# Altium PCB RTM_4SFP_3QSFP.PcbDoc (part 2 of 4)
Units mil, origin at the board's own origin, x right, y up, seen from the top; angles counter-clockwise.
Board outline 7187 x 5848.5 mil, 4 copper layers (L1, P2, P3, L4), stack 62.205 mil thick; 276 components, 257 nets, 1307 pads, 528 vias.
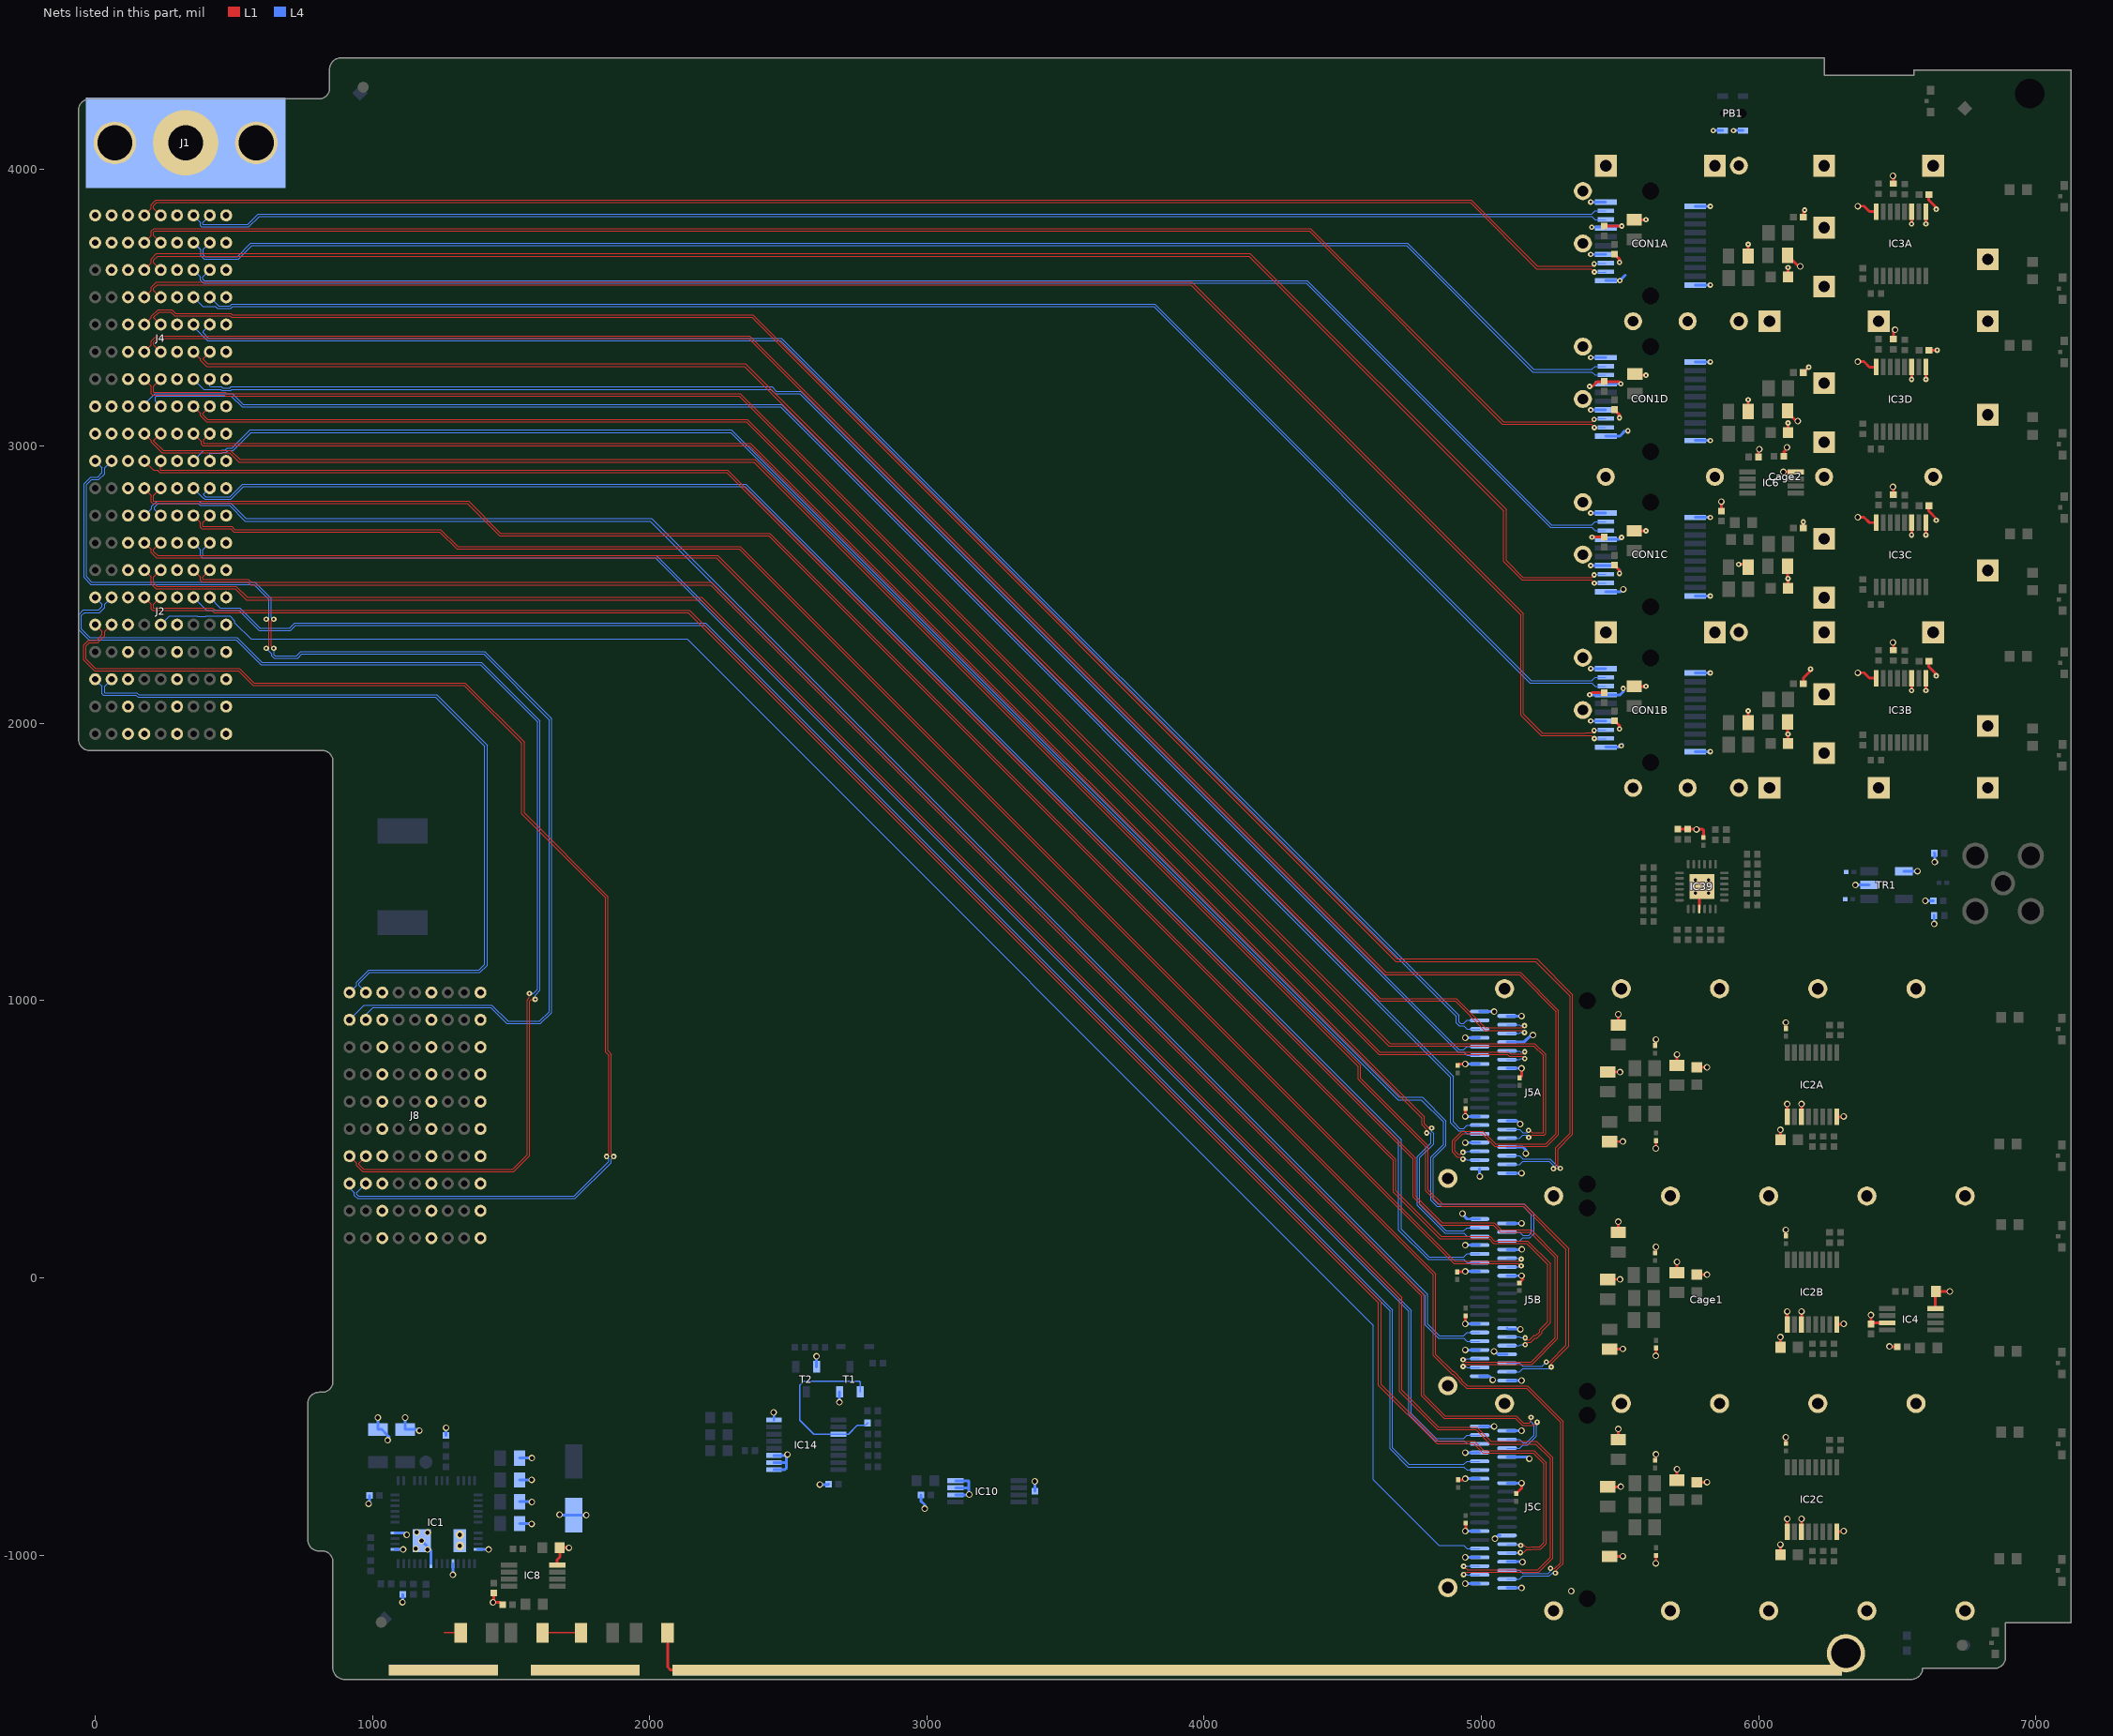
[diagram p4: the nets of this part, all layers, seen from the top]

## Part data
C1 C2 C3 C4 C12A C12B C12C C12D C14A C14B C14C C14D C23A C23B C23C C23D C33A C33B C33C C35A C35B C35C C41A C41B C41C C43A C43B C43C: library part CC0805_10UF_10V_10%_X7R, "Non-polarised capacitor", Case=0805, Manufacturer=GENERIC, Manufacturer1 ComponentHeight=1.35mm, Manufacturer1 Example=MURATA, Manufacturer1 Part Number=GRM21BR71A106KE51L, Tolerance=±10%, Voltage=10V, Author="CERN DEM JLC", Component Type=Standard, CreateDate=2012-04-30, HelpURL=\\cern.ch\dfs\Applications\Altium\Datasheets\CC0805_X7R_MURATA.pdf, LatestRevisionDate=2012-04-30, Manufacturer Part Number=CC0805_10UF_10V_10%_X7R, Mounted=Yes, Part Description="SMD Multilayer Chip Ceramic Capacitor", Part Number=CC0805_10UF_10V_10%_X7R, Pin Count=2, SMD=Yes, Socket=No, Status=Preferred, Table="Capacitors SMD", TC=X7R
C5: library part CAE660-540_100UF_16V_20%, "Polarised capacitor", Case=D, Manufacturer=PANASONIC, Manufacturer Part Number=EEEFK1C101AP, Tolerance=±20%, Voltage=16V, Author="CERN DEM JLC", ComponentHeight=5.8mm, Component Type=Standard, CreateDate=03.12.2007, HelpURL=\\cern.ch\dfs\Applications\Altium\Datasheets\CAE_PANASONIC_FK.pdf, LatestRevisionDate=05.11.2014, Mounted=Yes, Part Description="Aluminum Electrolytic SMT Capacitor", Part Number=CAE660-540_100UF_16V_20%, Pin Count=2, Sense=No, SMD=Yes, Socket=No, Status="Not Recommended"
C6 C7: library part CC1206_10UF_16V_10%_X7R, "Non-polarised capacitor", Case=1206, Manufacturer=GENERIC, Manufacturer1 ComponentHeight=1.8mm, Manufacturer1 Example=KEMET, Manufacturer1 Part Number=C1206C106K4RAC, Manufacturer Part Number=CC1206_10uF_16V_10%_X7R, Tolerance=±10%, Voltage=16V, Author="CERN DEM JLC", Component Type=Standard, CreateDate=2009-04-28, HelpURL=\\cern.ch\dfs\Applications\Altium\Datasheets\CC1206_X7R_KEMET.pdf, LatestRevisionDate=2009-04-28, Mounted=Yes, Part Description="SMD Multilayer Chip Ceramic Capacitor", Part Number=CC1206_10UF_16V_10%_X7R, Pin Count=2, SMD=Yes, Socket=No, Status=Preferred, Table="Capacitors SMD", TC=X7R
C8 C10 C13A C13B C13C C13D C20A C20B C20C C20D C22A C22B C22C C22D C24A C24B C24C C24D: library part CC0402_100NF_16V_10%_X5R, "Non-polarised capacitor", Case=0402, Manufacturer=GENERIC, Manufacturer1 ComponentHeight=0.55mm, Manufacturer1 Example=MURATA, Manufacturer1 Part Number=GRM155R61C104KA88D, Tolerance=±10%, Voltage=16V, Author="CERN DEM JLC", Component Type=Standard, HelpURL=\\cern.ch\dfs\Applications\Altium\Datasheets\CC0402_X5R_MURATA_GRM.pdf, Manufacturer Part Number=CC0402_100NF_16V_10%_X5R, Mounted=Yes, Part Description="SMD Multilayer Chip Ceramic Capacitor", Part Number=CC0402_100NF_16V_10%_X5R, Pin Count=2, SMD=Yes, Socket=No, Status=None, TC=X5R
  C8 C10: CreateDate=2013-12-10, LatestRevisionDate=2013-12-10, Table="Capacitors SMD"
  C13A C13B C13C C13D C20A C20B C20C C20D C22A C22B C22C C22D C24A C24B C24C C24D: CreateDate=10.12.2013, LatestRevisionDate=10.12.2013, Sense=No
C9: library part CC0402_1NF_50V_10%_X7R, "Non-polarised capacitor", Case=0402, Manufacturer=GENERIC, Manufacturer1 ComponentHeight=0.55mm, Manufacturer1 Example=PHYCOMP, Manufacturer1 Part Number=223858715623, Tolerance=±10%, Voltage=50V, Author="CERN DEM JLC", Component Type=Standard, CreateDate=03.12.2007, HelpURL=\\cern.ch\dfs\Applications\Altium\Datasheets\CC0402_X7R_PHYCOMP.pdf, LatestRevisionDate=03.12.2007, Manufacturer Part Number=CC0402_1NF_50V_10%_X7R, Mounted=Yes, Part Description="SMD Multilayer Chip Ceramic Capacitor", Part Number=CC0402_1NF_50V_10%_X7R, Pin Count=2, Sense=No, SMD=Yes, Socket=No, Status="Not Recommended", TC=X7R
C11: library part CC0402_12PF_50V_5%_C0G, "Non-polarised capacitor", Case=0402, Manufacturer=GENERIC, Manufacturer1 ComponentHeight=0.55mm, Manufacturer1 Example=KEMET, Manufacturer1 Part Number=C0402C120J5GACTU, Tolerance=±5%, Voltage=50V, Author="CERN DEM JLC", Component Type=Standard, CreateDate=04.10.2016, HelpURL="\\cern.ch\dfs\Applications\Altium\Datasheets\CC0805_C0G_KEMET_(Commercial Grade).pdf", LatestRevisionDate=04.10.2016, Manufacturer Part Number=CC0402_12PF_50V_5%_C0G, Mounted=Yes, Part Description="SMD Multilayer Chip Ceramic Capacitor", Part Number=CC0402_12PF_50V_5%_C0G, Pin Count=2, Sense=No, SMD=Yes, Socket=No, Status=Preferred, TC=C0G/NP0
C15A C15B C15C C15D C36A C36B C36C C37A C37B C37C: library part CC0603_1UF_25V_10%_X7R, "Non-polarised capacitor", Case=0603, Manufacturer=GENERIC, Manufacturer1 ComponentHeight=0.9mm, Manufacturer1 Example=MURATA, Manufacturer1 Part Number=GRM188R71E105KA12D, Tolerance=±10%, Voltage=25V, Author="CERN DEM JLC", Component Type=Standard, CreateDate=2011-01-18, HelpURL=\\cern.ch\dfs\Applications\Altium\Datasheets\CC0603_X7R_MURATA.pdf, LatestRevisionDate=2011-01-18, Manufacturer Part Number=CC0603_1UF_25V_10%_X7R, Mounted=Yes, Part Description="SMD Multilayer Chip Ceramic Capacitor", Part Number=CC0603_1UF_25V_10%_X7R, Pin Count=2, SMD=Yes, Socket=No, Status=None, Table="Capacitors SMD", TC=X7R
C16 C17 C28 C34A C34B C34C C38A C38B C38C C39A C39B C39C C40A C40B C40C C42A C42B C42C C44A C44B C44C C402: library part CC0201_100NF_6.3V_10%_X5R, "Non-polarised capacitor", Case=0201, Manufacturer=GENERIC, Manufacturer1 ComponentHeight=0.33mm, Manufacturer1 Example=AVX, Manufacturer1 Part Number=02016D104KAT2A, Tolerance=±10%, Voltage=6.3V, Author="CERN DEM JLC", Component Type=Standard, CreateDate=2007-12-03, HelpURL=\\cern.ch\dfs\Applications\Altium\Datasheets\CC0201_X5R_AVX.pdf, LatestRevisionDate=2007-12-03, Manufacturer Part Number=CC0201_100NF_6.3V_10%_X5R, Mounted=Yes, Part Description="SMD Multilayer Chip Ceramic Capacitor", Part Number=CC0201_100NF_6.3V_10%_X5R, Pin Count=2, SMD=Yes, Socket=No, Status="Not Recommended", TC=X5R
  C16 C17 C28: Sense=No
  C34A C34B C34C C38A C38B C38C C39A C39B C39C C40A C40B C40C C42A C42B C42C C44A C44B C44C C402: Table="Capacitors SMD"
C18 C19: library part CC0402_10NF_16V_10%_X7R, "Non-polarised capacitor", Case=0402, Manufacturer=GENERIC, Manufacturer1 ComponentHeight=0.55mm, Manufacturer1 Example=PHYCOMP, Manufacturer1 Part Number=223878715636, Tolerance=±10%, Voltage=16V, Author="CERN DEM JLC", Component Type=Standard, CreateDate=03.12.2007, HelpURL=\\cern.ch\dfs\Applications\Altium\Datasheets\CC0402_X7R_PHYCOMP.pdf, LatestRevisionDate=03.12.2007, Manufacturer Part Number=CC0402_10NF_16V_10%_X7R, Mounted=Yes, Part Description="SMD Multilayer Chip Ceramic Capacitor", Part Number=CC0402_10NF_16V_10%_X7R, Pin Count=2, Sense=No, SMD=Yes, Socket=No, Status="Not Recommended", TC=X7R
C21 C25 C26 C27 C29: library part CC0402_100NF_16V_10%_X7R, "Non-polarised capacitor", Case=0402, Manufacturer=GENERIC, Manufacturer1 ComponentHeight=0.55mm, Manufacturer1 Example=PHYCOMP, Manufacturer1 Part Number=223878715649, Tolerance=±10%, Voltage=16V, Author="CERN DEM JLC", Component Type=Standard, CreateDate=12/3/2007, HelpURL=\\cern.ch\dfs\Applications\Altium\Datasheets\CC0402_X7R_PHYCOMP.pdf, LatestRevisionDate=12/3/2007, Manufacturer Part Number=CC0402_100NF_16V_10%_X7R, Mounted=Yes, Part Description="SMD Multilayer Chip Ceramic Capacitor", Part Number=CC0402_100NF_16V_10%_X7R, Pin Count=2, SMD=Yes, Socket=No, Status="Not Recommended", Table="Capacitors SMD", TC=X7R
Cage1: library part TYCO_2170737-1, "QSFP+ 1x3 Cage (23Pins)", Manufacturer="TYCO ELECTRONICS", Manufacturer Part Number=2170737-1, Author="CERN DEM JLC", ComponentHeight=9.65mm, Component Type=Standard, CreateDate=29.05.2018, Family=zQSFP+, HelpURL=\\cern.ch\dfs\Applications\Altium\Datasheets\TYCO_2170737-1.pdf, LatestRevisionDate=29.05.2018, Mounted=Yes, Part Description="1x3 Press Fit zQSFP+/QSFP28 Cage (Quad Small Form-factor Pluggable), Internal/External EMI Springs", Part Number=TYCO_2170737-1, Pin Count=23, PressFit=Yes, Sense=No, SMD=No, Socket=No, Status=None
Cage2: library part TYCO_2007132-1, "SFP+  1x4 Cage (46 Pins)", Manufacturer="TYCO ELECTRONICS", Manufacturer Part Number=2007132-1, Author="CERN DEM JLC", ComponentHeight=9.7mm, Component Type=Standard, CreateDate=2013-06-04, Family=SFP+, HelpURL=\\cern.ch\dfs\Applications\Altium\Datasheets\TYCO_2007132-1.pdf, LatestRevisionDate=2013-06-12, Mounted=Yes, Part Description="1x4 Press Fit Cage For Use with SFP+ Connector (Small Form-factor Pluggable)", Part Number=TYCO_2007132-1, Pin Count=46, SMD=No, Socket=No, Status=None, Table=TYCO
CON1A CON1B CON1C CON1D: library part TYCO_1888247-1, "20 Position SFP+ Connector (Small Form-factor Pluggable)", Manufacturer="TYCO ELECTRONICS", Author="CERN DEM JLC", ComponentHeight=5.4mm, Component Type=Standard, CreateDate=2012-02-27, Family=SFP+, HelpURL=\\cern.ch\dfs\Applications\Altium\Datasheets\TYCO_1888247-1.pdf, LatestRevisionDate=2012-02-27, Manufacturer Part Number=1888247-1, Mounted=Yes, Part Description="20 Position, Pitch 0.8mm SFP+  Receptacle (Small Form-factor Pluggable)", Part Number=TYCO_1888247-1, Pin Count=20, SMD=Yes, Socket=No, Status=None, Table=TYCO
D1: "Schottky Diode", Case=SOD323, Manufacturer=INFINEON, Power=750mA, Voltage=40V, Author="CERN DEM JLC", Bonding=No, ComponentHeight=1.1mm, Component Type=Standard, CreateDate=12.11.2014, Device=BAT165, HelpURL=\\cern.ch\dfs\Applications\Altium\Datasheets\BAT165.pdf, LatestRevisionDate=12.11.2014, Manufacturer Part Number=BAT165, Mounted=Yes, PackageDescription="Small Outline Diode (SOD-323), 1.70mm W X 1.25mm L X 1.10mm H body,  IPC Medium Density", Part Description="Medium Power AF Schottky Diode", Part Number=BAT165, Pin Count=2, PressFit=No, Sense=No, SMD=Yes, Socket=No
F1: library part FUSR_TYCO_SMD150F-2, "Fuse", Manufacturer="TYCO ELECTRONICS", Manufacturer Part Number=SMD150F-2, Author="CERN DEM JLC", ComponentHeight=3mm, Component Type=Standard, CreateDate=2010-03-17, Family="Fuses Resettable", HelpURL=\\cern.ch\dfs\Applications\Altium\Datasheets\FUSR_TYCO_SMD150F-2.pdf, LatestRevisionDate=2010-03-17, Mounted=Yes, PackageDescription="PolySwitch, 2-Leads, Body 8.7x6.35mm Nominal", Part Description="PolySwitch® PTC Overcurrent Protection Device", Part Number=FUSR_TYCO_SMD150F-2, Pin Count=2, SMD=Yes, Socket=No, Table=Fuses
FB1A FB1B FB1C FB1D FB2A FB2B FB2C FB3A FB3B FB3C FB4A FB4B FB4C FB5A FB5B FB5C FB5D: library part IND0805_MURATA_BLM21PG221SN1D, "Inductor", Case=0805, Manufacturer=MURATA, Manufacturer Part Number=BLM21PG221SN1D, Power=2A, Resistance=0.05R, Tolerance=±25%, Author="CERN DEM JLC", ComponentHeight=1.05mm, Component Type=Standard, CreateDate=2010-01-25, HelpURL=\\cern.ch\dfs\Applications\Altium\Datasheets\IND0402_MURATA_BLM21P.pdf, LatestRevisionDate=2010-01-25, Mounted=Yes, Part Description="SMD EMIFIL Suppression Chip Ferrite Bead", Part Number=IND0805_MURATA_BLM21PG221SN1D, Pin Count=2, SMD=Yes, Socket=No, Status=None, Table="Inductors SMD"
FP1: "RTM Frontpanel"
FTG1 FTG3 FTG5 FTG7: library part FIDUCIAL_TARGET_S100-200, "Fiducial Target", Author="CERN DEM JLC", ComponentHeight=0mm, Component Type="Standard (No BOM)", CreateDate=2010-02-09, Family=Fiducial, LatestRevisionDate=2012-04-04, Mounted=No, PackageDescription="Square Fiducial Target, Top Layer, 1.0mm, Top Solder 2.0mm, Keepout =2.0mm", Part Description="Square Fiducial Target, Top Layer, 1.0mm, Top Solder 2.0mm, Keepout =2.0mm", Part Number=FIDUCIAL_TARGET_S100-200, Pin Count=1, SMD=Yes, Socket=No, Status=None, Table=Pads
FTG2 FTG4 FTG6 FTG8: library part FIDUCIAL_TARGET_C100-200, "Fiducial Target", Author="CERN DEM JLC", ComponentHeight=0mm, Component Type="Standard (No BOM)", CreateDate=2010-02-09, Family=Fiducial, LatestRevisionDate=2012-04-04, Mounted=No, PackageDescription="Round Fiducial Target, Top Layer, 1.0mm, Top Solder 2.0mm, Keepout =2.0mm", Part Description="Round Fiducial Target, Top Layer, 1.0mm, Top Solder 2.0mm, Keepout =2.0mm", Part Number=FIDUCIAL_TARGET_C100-200, Pin Count=1, SMD=Yes, Socket=No, Status=None, Table=Pads
IC1: "0.8V to 85% PVIN (4.75-19V), 6A Synchronous Step-Down Regulator Module", Manufacturer="MICROCHIP TECHNOLOGY", Author="CERN DEM JMW", Bonding=No, ComponentHeight=3mm, Component Type=Standard, CreateDate=15.08.2016, Device=MIC45116-1YMP, HelpURL=\\cern.ch\dfs\Applications\Altium\Datasheets\MIC45116-1YMP.pdf, LatestRevisionDate=15.08.2016, Manufacturer Part Number=MIC45116-1YMP, Mounted=Yes, PackageDescription="MICROCHIP_H3QFN88-52LD-PL-3, 0.50mm Pitch, Square, 52 Pin, 8mm L X 8mm W X 3mm H Body", Part Description="0.8V to 85% PVIN (4.75-19V), 6A Synchronous Step-Down Regulator Module", Part Number=MIC45116-1YMP, Pin Count=53, PressFit=No, Sense=No, SMD=Yes, Socket=No
IC2A IC2B IC2C IC3A IC3B IC3C IC3D: "8-Bit I2C-Bus and SMBus Low Power I/O Port with Interrupt", Case=SSOP16, Manufacturer="ANALOG DEVICES", Author="CERN DEM JLC", Bonding=No, ComponentHeight=1.1mm, Component Type=Standard, CreateDate=2013-12-18, Device=PCA9534PW, HelpURL=\\cern.ch\dfs\Applications\Altium\Datasheets\PCA9534PW.pdf, LatestRevisionDate=2013-12-18, Manufacturer Part Number=PCA9534PW, Mounted=Yes, PackageDescription="SOP, 0.65mm pitch; 16 pin, 4.40mm W X 5.00mm L X 1.10mm H body IPC Medium Density", Part Description="8-Bit I2C-Bus and SMBus Low Power I/O Port with Interrupt", Part Number=PCA9534PW, Pin Count=16, PressFit=No, SMD=Yes, Socket=No, Table="Analog & Interface"
IC4 IC6 IC8: "Digital Temperature Sensor and Thermal Watchdog with Two-Wire Interface", Case=SSOP8, Manufacturer="TEXAS INSTRUMENTS", Author="CERN DEM JLC", Bonding=No, ComponentHeight=1.09mm, Component Type=Standard, CreateDate=15.10.2012, Device=LM75AIMM/NOPB, HelpURL=\\cern.ch\dfs\Applications\Altium\Datasheets\LM75AIMM-NOPB.pdf, LatestRevisionDate=15.10.2012, Manufacturer Part Number=LM75AIMM/NOPB, Mounted=Yes, PackageDescription="SOP, 0.65mm pitch; 8 pin,3.00mm W X 3.00mm L X 1.09mm H bodyI, PC Medium Density", Part Description="-25° to +100°C ±2°C Digital Temperature Sensor and Thermal Watchdog with Two-Wire Interface", Part Number=LM75AIMM/NOPB, Pin Count=8, PressFit=No, Sense=No, SMD=Yes, Socket=No
IC10: "1.7V to 5.5V, I2C-Compatible (2-wire) 2-Kbit (256 x 8) Serial EEPROM", Case=TSSOP8, Manufacturer=ATMEL, Author="CERN DEM MR", Bonding=No, ComponentHeight=1.2mm, Component Type=Standard, CreateDate=09.03.2016, Device=AT24MAC402-XHM, HelpURL=\\cern.ch\dfs\Applications\Altium\Datasheets\AT24MAC402-XHM.pdf, LatestRevisionDate=09.11.2016, Manufacturer Part Number=AT24MAC402-XHM, Mounted=Yes, PackageDescription="SOP, 0.65mm pitch; 8 pin, 4.40mm W X 3.00mm L X 1.20mm H body, IPC Medium Density", Part Description="1.7V to 5.5V, I2C-Compatible (2-wire) 2-Kbit (256 x 8) Serial EEPROM with a EUI-48 Address", Part Number=AT24MAC402-XHM, Pin Count=8, PressFit=No, Sense=No, SMD=Yes, Socket=No
IC14: library part PCA9554D, "8-bit I2C-bus SMBus I/O port with interrupt", Manufacturer1="NXP Semiconductors", Manufacturer1 PN=PCA9554D,112, Distributor1=Digikey, Distributor1 PN=568-1053-5-ND
IC39: library part IIC_MUX_MAX7357ETG+, "8-channel I2C-bus multiplexer with reset, INT and timeout"
J1: library part TYCO_1469265-1, "Single Pin Male", Part Number=TYCO_1469265-1
J2 J4: library part TYCO_6469183-1, "Connector 60 ATCA Male 30 Pairs (60 Signals) + 3x10 Ground", Manufacturer="TYCO ELECTRONICS", Manufacturer Part Number=6469183-1, Author="CERN DEM JLC", ComponentHeight=13.31mm, Component Type=Standard, CreateDate=28.08.2013, Family="Advanced TCA", HelpURL=\\cern.ch\dfs\Applications\Altium\Datasheets\TYCO_6469183-1.pdf, LatestRevisionDate=28.08.2013, Mounted=Yes, Part Description="60 Positions, Pitch 2.5mm,  Advanced TCA, Z-PACK HM-Zd Right Angle Press Fit Header", Part Number=TYCO_6469183-1, Pin Count=90, PressFit=Yes, Sense=No, SMD=No, Socket=No, Status=None
J3: library part AMPHENOL_132203, Manufacturer=AMPHENOL, Manufacturer Part Number=132203, Author="CERN DEM MR", ClassName=Connectors, ComponentHeight=10.44mm, Component Type=Standard, CreateDate=2016-10-06, Family=SMA, HelpURL=\\cern.ch\dfs\Applications\Altium\Datasheets\AMPHENOL_132203.pdf, LatestRevisionDate=2016-10-06, Mounted=Yes, Part Description="50 Ohm Through Hole SMA Right Angle PCB Jack", Part Number=AMPHENOL_132203, Pin Count=5, PressFit=No, Sense=No, SMD=No, Socket=No, Status=None
J5A J5B J5C: library part TYCO_1551920-2, "38Position QSFP Connector  (Quad Small Form-factor Pluggable)", Manufacturer="TYCO ELECTRONICS", Manufacturer Part Number=1551920-2, Author="CERN DEM JLC", ComponentHeight=6.1mm, Component Type=Standard, CreateDate=24.05.2018, Family=zQSFP+, HelpURL=\\cern.ch\dfs\Applications\Altium\Datasheets\TYCO_1551920-2.pdf, LatestRevisionDate=24.05.2018, Mounted=Yes, Part Description="38 Positions, Pitch 0.8mm zSFP+ Receptacle (Small Form-factor Pluggable)", Part Number=TYCO_1551920-2, Pin Count=38, PressFit=No, Sense=No, SMD=No, Socket=No, Status=None
J8: library part ERNI_973028, "90 Contacts, 6 Rows  (a,b,c,d,e,f) of 10 positions + 3 Shield Rows (ab, cd, ef) of 10 Positions, Pitch 2.5 mm,  Press-Fit, Right Angle ERmet ZD High Speed Differential Hard Metric Female Connector", Manufacturer=ERNI, Manufacturer Part Number=973028, Author="CERN DEM JLC", ComponentHeight=16.9mm, Component Type=Standard, CreateDate=18.04.2012, Family="Hard Metric Type ZD", HelpURL=\\cern.ch\dfs\Applications\Altium\Datasheets\ERNI_973028.pdf, LatestRevisionDate=18.04.2012, Mounted=Yes, Part Description="90 Contacts (10x3 Pairs Signal Contacts + 3x10 Ground Contacts), Pitch 2.5mm, Press-Fit, Right Angle Ermet ZD High Speed Differential Hard Metric Female Connector", Part Number=ERNI_973028, Pin Count=90, PressFit=Yes, Sense=No, SMD=No, Socket=No, Status=None
LD1A LD1B LD1C LD3A LD3B LD3C LD3D: "LED Green 1C 2A", Color=Green, Manufacturer="AVAGO TECHNOLOGIES", Manufacturer Part Number=HSME-C120, Author="CERN DEM JMW", ComponentHeight=0.7mm, ComponentLink1Description="Design Guide", ComponentLink1URL=\\cern.ch\dfs\Applications\Altium\Datasheets\LED_AVAGO_HSME-C110_DESIGN-GUIDE.pdf, Component Type=Standard, CreateDate=2009-07-22, HelpURL=\\cern.ch\dfs\Applications\Altium\Datasheets\LED_AVAGO_HSME-C120.pdf, LatestRevisionDate=2012-06-20, Mounted=Yes, PackageDescription="Green Chip LED, 2-Leads, Body 1.7x1.1mm, Side Emitting Package", Part Description="High Performance Right Angle Chip Green LED", Part Number=LED_AVAGO_HSME-C120, Pin Count=2, SMD=Yes, Socket=No, Table="LEDs & Displays"
LD2A LD2B LD2C LD4A LD4B LD4C LD4D: "LED Red Avago C120", Manufacturer="AVAGO TECHNOLOGIES", Manufacturer Part Number=HSMC-C120, Part Number=LED_AVAGO_HSMC-C120, Author="CERN DEM JMW", Color=Red, ComponentHeight=0.7mm, ComponentLink1Description="Design Guide", ComponentLink1URL=\\cern.ch\dfs\Applications\Altium\Datasheets\LED_AVAGO_HSME-C110_DESIGN-GUIDE.pdf, Component Type=Standard, CreateDate=2009-07-22, HelpURL=\\cern.ch\dfs\Applications\Altium\Datasheets\LED_AVAGO_HSME-C120.pdf, LatestRevisionDate=2012-06-20, Mounted=Yes, PackageDescription="Red Chip LED, 2-Leads, Body 1.7x1.1mm, Side Emitting Package", Part Description="High Performance Right Angle Chip Red LED", Pin Count=2, SMD=Yes, Socket=No, Table="LEDs & Displays"
LDx: "LED Green Avago C120", Manufacturer="AVAGO TECHNOLOGIES", Manufacturer Part Number=HSME-C120, Part Number=LED_AVAGO_HSME-C120, Author="CERN DEM JMW", Color=Green, ComponentHeight=0.7mm, ComponentLink1Description="Design Guide", ComponentLink1URL=\\cern.ch\dfs\Applications\Altium\Datasheets\LED_AVAGO_HSME-C110_DESIGN-GUIDE.pdf, Component Type=Standard, CreateDate=2009-07-22, HelpURL=\\cern.ch\dfs\Applications\Altium\Datasheets\LED_AVAGO_HSME-C120.pdf, LatestRevisionDate=2012-06-20, Mounted=Yes, PackageDescription="Green Chip LED, 2-Leads, Body 1.7x1.1mm, Side Emitting Package", Part Description="High Performance Right Angle Chip Green LED", Pin Count=2, SMD=Yes, Socket=No, Table="LEDs & Displays"
LDy: "LED Blue Avago C120", Manufacturer="AVAGO TECHNOLOGIES", Manufacturer Part Number=HSMR-C120, Part Number=LED_AVAGO_HSMR-C120, Author="CERN DEM JMW", Color=Blue, ComponentHeight=0.7mm, ComponentLink1Description="Design Guide", ComponentLink1URL=\\cern.ch\dfs\Applications\Altium\Datasheets\LED_AVAGO_HSME-C110_DESIGN-GUIDE.pdf, Component Type=Standard, CreateDate=2009-07-22, HelpURL=\\cern.ch\dfs\Applications\Altium\Datasheets\LED_AVAGO_HSME-C120.pdf, LatestRevisionDate=2012-06-20, Mounted=Yes, PackageDescription="Blue Chip LED, 2-Leads, Body 1.7x1.1mm, Side Emitting Package", Part Description="High Performance Right Angle Chip Blue LED", Pin Count=2, SMD=Yes, Socket=No, Table="LEDs & Displays"
LED17: library part LED_0603R, "LED 0603 red", Supplier Part Number 1=22M3004, Supplier 1=Newark, Supplier 2=Newark, Supplier Part Number 2=20M0618
PB1: library part SW_C&K_HDT0001, "Push-Button Switch SPDT", Manufacturer=C&K, Manufacturer Part Number=HDT0001, Author="CERN DEM JLC", ComponentHeight=3.35mm, Component Type=Standard, CreateDate=2012-08-15, Family="Push Button", HelpURL=\\cern.ch\dfs\Applications\Altium\Datasheets\SW_C&K_HDT0001.pdf, LatestRevisionDate=2012-08-15, Mounted=Yes, PackageDescription="Body 3.5x2.8mm, Micro Mini Surface Mount Detect Switches, HDT Serie", Part Description="5VDC 1mA SPST-NO Micro Mini Surface Surface Mount Detect Push-Button Switch, HDT Serie", Part Number=SW_C&K_HDT0001, Pin Count=4, SMD=Yes, Socket=No, Status=None, Table=Switches
R1: library part R0402_7K5_1%_0.0625W_100PPM, "Resistor - 1%", Case=0402, Manufacturer=GENERIC, Manufacturer1 ComponentHeight=0.4mm, Manufacturer1 Example="YAGEO PHYCOMP", Manufacturer1 Part Number=232270677502L, Power=0.0625W, Tolerance=±1%, Author="CERN DEM JLC", Component Type=Standard, CreateDate=03.12.2007, HelpURL=\\cern.ch\dfs\Applications\Altium\Datasheets\R0402_Phycomp_RC0402.pdf, LatestRevisionDate=17.10.2012, Manufacturer Part Number=R0402_7K5_1%_0.0625W_100PPM, Mounted=Yes, Part Description="General Purpose Thick Film Chip Resistor", Part Number=R0402_7K5_1%_0.0625W_100PPM, Pin Count=2, PressFit=No, Sense=No, SMD=Yes, Socket=No, Status="Not Recommended", TC=±100ppm/°C
R2: library part R0402_100K_1%_0.0625W_100PPM, "Resistor - 1%", Case=0402, Manufacturer=GENERIC, Manufacturer1 ComponentHeight=0.4mm, Manufacturer1 Example="YAGEO PHYCOMP", Manufacturer1 Part Number=232270671004L, Power=0.0625W, Tolerance=±1%, Author="CERN DEM JLC", Component Type=Standard, CreateDate=03.12.2007, HelpURL=\\cern.ch\dfs\Applications\Altium\Datasheets\R0402_Phycomp_RC0402.pdf, LatestRevisionDate=17.10.2012, Manufacturer Part Number=R0402_100K_1%_0.0625W_100PPM, Mounted=Yes, Part Description="General Purpose Thick Film Chip Resistor", Part Number=R0402_100K_1%_0.0625W_100PPM, Pin Count=2, PressFit=No, Sense=No, SMD=Yes, Socket=No, Status="Not Recommended", TC=±100ppm/°C
R3: library part R0402_2K4_1%_0.0625W_100PPM, "Resistor - 1%", Case=0402, Manufacturer=GENERIC, Manufacturer1 ComponentHeight=0.4mm, Manufacturer1 Example="YAGEO PHYCOMP", Manufacturer1 Part Number=232270672402L, Power=0.0625W, Tolerance=±1%, Author="CERN DEM JLC", Component Type=Standard, CreateDate=03.12.2007, HelpURL=\\cern.ch\dfs\Applications\Altium\Datasheets\R0402_Phycomp_RC0402.pdf, LatestRevisionDate=17.10.2012, Manufacturer Part Number=R0402_2K4_1%_0.0625W_100PPM, Mounted=Yes, Part Description="General Purpose Thick Film Chip Resistor", Part Number=R0402_2K4_1%_0.0625W_100PPM, Pin Count=2, PressFit=No, Sense=No, SMD=Yes, Socket=No, Status="Not Recommended", TC=±100ppm/°C
R4 R5 R10A R10B R10C R11A R11B R11C R12A R12B R12C R13A R13B R13C R14 R15 R16 R17A R17B R17C R25 R26 R28 R31 R32 R33 R34 R35 R36 R37A R37B R37C R37D R38A R38B R38C R38D R39A R39B R39C R39D R40A R40B R40C R40D R41A R41B R41C R41D R45 R46 R48 R74 R75 R316 R317 R318 R319 R320 R321 R322 R323 R324 R325 R326 R327 R328 R329 R330 R331 R332 R333 R334 R335 R336: library part R0402_10K_1%_0.0625W_100PPM, "Resistor - 1%", Case=0402, Manufacturer=GENERIC, Manufacturer1 ComponentHeight=0.4mm, Manufacturer1 Example="YAGEO PHYCOMP", Manufacturer1 Part Number=232270671003L, Power=0.0625W, Tolerance=±1%, Author="CERN DEM JLC", Component Type=Standard, CreateDate=2007-12-03, HelpURL=\\cern.ch\dfs\Applications\Altium\Datasheets\R0402_Phycomp_RC0402.pdf, LatestRevisionDate=2012-10-17, Manufacturer Part Number=R0402_10K_1%_0.0625W_100PPM, Mounted=Yes, Part Description="General Purpose Thick Film Chip Resistor", Part Number=R0402_10K_1%_0.0625W_100PPM, Pin Count=2, SMD=Yes, Socket=No, Status="Not recommended", Table="Resistors SMD", TC=±100ppm/°C
R6: library part R0402_1K6_1%_0.0625W_100PPM, "Resistor - 1%", Case=0402, Manufacturer=GENERIC, Manufacturer1 ComponentHeight=0.4mm, Manufacturer1 Example="YAGEO PHYCOMP", Manufacturer1 Part Number=232270671602L, Power=0.0625W, Tolerance=±1%, Author="CERN DEM JLC", Component Type=Standard, CreateDate=03.12.2007, HelpURL=\\cern.ch\dfs\Applications\Altium\Datasheets\R0402_Phycomp_RC0402.pdf, LatestRevisionDate=17.10.2012, Manufacturer Part Number=R0402_1K6_1%_0.0625W_100PPM, Mounted=Yes, Part Description="General Purpose Thick Film Chip Resistor", Part Number=R0402_1K6_1%_0.0625W_100PPM, Pin Count=2, PressFit=No, Sense=No, SMD=Yes, Socket=No, Status="Not Recommended", TC=±100ppm/°C
R7 R8 R9 R18A R18B R18C R29A R29B R29C R42A R42B R42C R42D R43A R43B R43C R43D: library part R0603_330R_1%_0.1W_100PPM, "Resistor - 1%", Case=0603, Manufacturer=GENERIC, Manufacturer1 ComponentHeight=0.55mm, Manufacturer1 Example="NIC COMPONENT", Manufacturer1 Part Number=NRC06F3300TRF, Power=0.1W, Tolerance=±1%, Author="CERN DEM JLC", Component Type=Standard, CreateDate=2007-12-03, HelpURL=\\cern.ch\dfs\Applications\Altium\Datasheets\R0603_NIC_NRC.pdf, LatestRevisionDate=2008-03-13, Manufacturer Part Number=R0603_330R_1%_0.1W_100PPM, Mounted=Yes, Part Description="General Purpose Thick Film Chip Resistor", Part Number=R0603_330R_1%_0.1W_100PPM, Pin Count=2, SMD=Yes, Socket=No, Status=Preferred, Table="Resistors SMD", TC=±100ppm/°C
R19 R20 R21 R22: library part R1206_1M_1%_0.25W_100PPM, "Resistor - 1%", Case=1206, Manufacturer=GENERIC, Manufacturer1 ComponentHeight=0.65mm, Manufacturer1 Example="NIC COMPONENT", Manufacturer1 Part Number=NRC12F1004TRF, Power=0.25W, Tolerance=±1%, Author="CERN DEM JLC", Component Type=Standard, CreateDate=2007-12-03, HelpURL=\\cern.ch\dfs\Applications\Altium\Datasheets\R1206_NIC_NRC.pdf, LatestRevisionDate=2008-03-13, Manufacturer Part Number=R1206_1M_1%_0.25W_100PPM, Mounted=Yes, Part Description="General Purpose Thick Film Chip Resistor", Part Number=R1206_1M_1%_0.25W_100PPM, Pin Count=2, SMD=Yes, Socket=No, Status=Preferred, Table="Resistors SMD", TC=±100ppm/°C
R23 R24 R27 R30 R44 R47 R73: library part R0603_0R_JUMPER, "Resistor", Case=0603, Manufacturer=GENERIC, Manufacturer1 ComponentHeight=0.55mm, Manufacturer1 Example="NIC COMPONENT", Manufacturer1 Part Number=NRC06Z0, Author="CERN DEM JLC", Component Type=Standard, CreateDate=03.12.2007, HelpURL=\\cern.ch\dfs\Applications\Altium\Datasheets\R0603_NIC_NRC.pdf, LatestRevisionDate=13.03.2008, Manufacturer Part Number=R0603_0R_JUMPER, Mounted=Yes, Part Description="1A (0.05R Max DC Resistance) Zero Ohm Jumper", Part Number=R0603_0R_JUMPER, Pin Count=2, PressFit=No, Sense=No, SMD=Yes, Socket=No, Status=Preferred
T1 T2: "N-CHANNEL MOSFET WITH DIODE", Case=SOT23-3, Manufacturer="ON SEMICONDUCTOR", Author="CERN DEM JLC", Bonding=No, ComponentHeight=1.11mm, Component Type=Standard, CreateDate=23.03.2009, Device=BSS138LT1G, HelpURL=\\cern.ch\dfs\Applications\Altium\Datasheets\BSS138LT1G.pdf, LatestRevisionDate=23.03.2009, Manufacturer Part Number=BSS138LT1G, Mounted=Yes, PackageDescription="SOT23 3-Leads, Pitch 0.95mm - Body 1.4x3mm, IPC Medium Density", Part Description="50V 200mA N-Channel Enhancement Mode Field-Effect Transistor", Part Number=BSS138LT1G, Pin Count=3, PressFit=No, Sense=No, SMD=Yes, Socket=No
TP1 TP2: "Testpoint"
TR1: library part XFMR_MINI-CIRCUITS_TC2-1TX+, "50 Ohm 3 to 300MHz RF Transformers", Manufacturer=MINI-CIRCUITS, Manufacturer Part Number=TC2-1TX+, HelpURL=https://ww2.minicircuits.com/pdfs/TC2-1TX+.pdf

## Free pads (board coordinates)
  round 137.8 hole 106.3: 0(6314.96,-1354.33)
  round 60 hole 106.3 unplated: 1(6978.35,4271.65)
  rect 393.7x39.37 smd paste-100000 mask+10: ESD_STRIP_SEGMENT_1(1767.68,-1414.37) ESD_STRIP_SEGMENT_2(1255.87,-1414.37)
  rect 393.7x39.37 smd far side paste-100000 mask+10: ESD_STRIP_SEGMENT_1(1767.68,-1414.37) ESD_STRIP_SEGMENT_2(1255.86,-1413.86)
  rect 4218.11x39.37 smd paste-100000 mask+10: ESD_STRIP_SEGMENT_3(4191.73,-1414.37)
  rect 4218.11x39.37 smd far side paste-100000 mask+10: ESD_STRIP_SEGMENT_3(4192,-1415)

## Via types
v1: diameter 19.68, hole 7.87, L1 to L4, tented both sides, 275 vias
v2: diameter 23.62, hole 15.75, L1 to L4, tented both sides, 124 vias
v3: diameter 31.5, hole 23.62, L1 to L4, tented both sides, 108 vias
v4: diameter 31.5, hole 15.75, L1 to L4, 12 vias
v5: diameter 23.62, hole 15.75, L1 to L4, 5 vias
v6: diameter 25.98, hole 12.99, L1 to L4, tented both sides, 4 vias

## Nets (pads, with @x,y where several pads share a name; then routed paths per layer and width w, separated by ;. In a path a pad name is that pad's centre, name@x,y a point inside that pad or via, vN(x,y) a via of type N, cw(c..) or ccw(c..) an arc to the next point about the centre after c; other vN are vias at no path point)
ADC1_SYNC_N: J2.A6 J8.B7 | length 4247.8
  L1 w3.8: J8.B7@976.38,438.98 951.25,413.85 951.25,409 968.25,392 1505.56,392 1557.81,444.26 1557.81,1003.03 1566,1011.22 v1(1566,1026)
  L4 w3.8: J2.A6@0,2454.72 25.13,2429.6 25.13,2422 12.13,2409 -42.44,2409 -58.73,2392.72 -58.73,2337.32 -22.61,2301.2 507.8,2301.2 597.8,2211.2 1389.8,2211.2 1596.11,2004.89 1596.11,1041.33 1580.78,1026 v1(1566,1026)
ADC1_SYNC_P: J2.B6 J8.A7 | length 4277
  L1 w3.8: J8.A7@917.32,438.98 942.45,413.85 942.45,405.36 964.61,383.2 1509.2,383.2 1566.61,440.61 1566.61,999.39 1572.22,1005 v1(1587,1005)
  L4 w3.8: J2.B6@59.06,2454.72 33.93,2429.6 33.93,2418.36 15.77,2400.2 -38.8,2400.2 -49.93,2389.07 -49.93,2340.96 -18.97,2310 511.45,2310 601.45,2220 1393.45,2220 1604.91,2008.53 1604.91,1037.69 1587,1019.78 v1(1587,1005)
ADC2_SYNC_N: J2.A5 J8.B8 | length 4552.1
  L1 w3.8: J2.A5@0,2356.3 25.13,2331.17 25.13,2320 5.2,2300.07 -17.48,2300.07 -17.55,2300 -25.23,2300 -41.8,2283.43 -41.8,2228.36 -2.64,2189.2 516.8,2189.2 568.8,2137.2 1330.8,2137.2 1539,1929 1539,1673.56 1841.02,1371.54 1841.02,815.35 1853,803.37 1853,446.44 v1(1844.56,438)
  L4 w3.8: J8.B8@976.38,340.55 943,307.17 943,301.44 949.44,295 1728,295 1853,420 1853,429.56 v1(1844.56,438)
ADC2_SYNC_P: J2.B5 J8.A8 | length 4574.4
  L1 w3.8: J2.B5@59.06,2356.3 33.93,2331.17 33.93,2316.36 8.84,2291.27 -13.83,2291.27 -13.9,2291.2 -21.58,2291.2 -33,2279.78 -33,2232 1,2198 520.45,2198 572.45,2146 1334.45,2146 1547.8,1932.65 1547.8,1677.2 1849.82,1375.19 1849.82,819 1861.8,807.02 1861.8,446.44 v1(1870.24,438)
  L4 w3.8: J8.A8@917.32,340.55 917.32,323.88 934.2,307 934.2,297.8 945.8,286.2 1731.65,286.2 1861.8,416.36 1861.8,429.56 v1(1870.24,438)
CLK_SMA_IN_N: C28.2
CLK_SMA_IN_P: C16.2
CLKA_N: J2.B3 J8.B1 | length 2843.9
  L4 w3.8: J2.B3@59.06,2159.45 33.93,2134.32 33.93,2111.22 149.71,2111.22 157.58,2103.35 1231.36,2103.35 1414,1920.71 1414,1127.93 1388.43,1102.36 990.62,1102.36 951.25,1062.99 951.25,1054.65 J8.B1@976.38,1029.53
CLKA_P: J2.A3 J8.A1 | length 2843.9
  L4 w3.8: J2.A3@0,2159.45 25.13,2134.32 25.13,2107.57 30.28,2102.42 146.06,2102.42 153.93,2094.55 1227.72,2094.55 1405.2,1917.06 1405.2,1131.58 1384.78,1111.16 986.98,1111.16 942.45,1066.64 942.45,1054.65 J8.A1@917.32,1029.53
CLKB_N: J4.B1 J8.B2 | length 4294.7
  L1 w3.8: v1(644,2271) 643.68,2271 634.9,2279.78 634.9,2366.9 v1(644,2376)
  L4 w3.8: J4.B1@59.06,2946.85 33.93,2921.72 33.93,2900.94 12.84,2879.85 -13.02,2879.85 -31.43,2861.44 -31.43,2529.43 -12,2510 575.45,2510 634.8,2450.65 634.8,2383 641.8,2376 v1(644,2376) ; v1(644,2271) 646,2269 646,2247 649,2244 727,2244 742,2259 1404.44,2259 1646.8,2016.64 1646.8,957.36 1606.65,917.2 1484.91,917.2 1426.66,975.45 1001.97,975.45 976.38,949.86 J8.B2@976.38,931.1
CLKB_P: J4.A1 J8.A2 | length 4339.2
  L1 w3.8: v1(617,2271) 617.32,2271 626.1,2279.78 626.1,2366.9 v1(617,2376)
  L4 w3.8: J4.A1@0,2946.85 25.13,2921.72 25.13,2904.59 9.19,2888.65 -16.66,2888.65 -40.23,2865.09 -40.23,2525.78 -15.64,2501.2 571.8,2501.2 626,2447 626,2383 619,2376 v1(617,2376) ; v1(617,2271) 637.2,2250.8 637.2,2243.36 645.36,2235.2 730.65,2235.2 745.65,2250.2 1400.8,2250.2 1638,2013 1638,961 1603,926 1488.56,926 1430.3,984.25 970.47,984.25 J8.A2@917.32,931.1
EABLEn: IC14.11 R14.2 T1.1 | length 668.9
  L4 w6: T1.1@2759.3,-410.98 2759.3,-376.3 2756,-373 2555,-373 2541,-387 2541,-513 2591.54,-563.54 IC14.11@2680.56,-563.54 2716.98,-563.54 2748.51,-532 2777.33,-532 R14.2@2786.15,-523.18
ESD1: pad.ESD_STRIP_SEGMENT_2@1255.87,-1414.37 R19.1 | length 58
  L1 w6: 1259.84,-1279.53 R19.1@1317.84,-1279.53
ESD2: pad.ESD_STRIP_SEGMENT_1@1767.68,-1414.37 R20.2 R21.1 | length 138.6
  L1 w6: R20.2@1613.65,-1279.53 R21.1@1752.22,-1279.53
FPGA_ADC_SYSREF_N: J4.B3
FPGA_ADC_SYSREF_P: J4.A3
FPGA_CFG_CCLK: J4.A10
FPGA_CFG_DIN: J4.B10
FPGA_CFG_DONE: J4.A9
FPGA_CFG_INIT_B: J4.B8
FPGA_CFG_PROGRAM_B: J4.B9
FPGA_DAC_SYSREF_N: J4.B2
FPGA_DAC_SYSREF_P: J4.A2
GND: C1.1 C2.1 C3.1 C4.1 C5.2 C6.1 C7.1 C8.1 C11.1 C12A.2 C12B.2 C12C.2 C12D.2 C13A.2 C13B.2 C13C.2 C13D.2 C14A.2 C14B.2 C14C.2 C14D.2 C15A.1 C15B.1 C15C.1 C15D.1 C18.1 C19.1 C20A.2 C20B.2 C20C.2 C20D.2 C21.2 C22A.2 C22B.2 C22C.2 C22D.2 C23A.2 C23B.2 C23C.2 C23D.2 C24A.2 C24B.2 C24C.2 C24D.2 C25.2 C26.2 C27.2 C29.2 C33A.2 C33B.2 C33C.2 C34A.2 C34B.2 C34C.2 C35A.2 C35B.2 C35C.2 C36A.1 C36B.1 C36C.1 C37A.1 C37B.1 C37C.1 C38A.2 C38B.2 C38C.2 C39A.2 C39B.2 C39C.2 C40A.2 C40B.2 C40C.2 C41A.2 C41B.2 C41C.2 C42A.2 C42B.2 C42C.2 C43A.2 C43B.2 C43C.2 C44A.2 C44B.2 C44C.2 C402.1 Cage1.1 Cage1.2 Cage1.3 Cage1.4 Cage1.5 Cage1.6 Cage1.7 Cage1.8 Cage1.9 Cage1.10 Cage1.11 Cage1.12 Cage1.13 Cage1.14 Cage1.15 Cage1.16 Cage1.17 Cage1.18 Cage1.19 Cage1.20 Cage1.21 Cage1.22 Cage1.23 Cage2.1 Cage2.2 Cage2.3 Cage2.4 Cage2.5 Cage2.6 Cage2.7 Cage2.8 Cage2.9 Cage2.10 Cage2.11 Cage2.12 Cage2.13 Cage2.14 Cage2.15 Cage2.16 Cage2.17 Cage2.18 Cage2.19 Cage2.20 Cage2.21 Cage2.22 Cage2.23 Cage2.24 Cage2.25 Cage2.26 Cage2.27 Cage2.28 Cage2.29 Cage2.30 Cage2.31 Cage2.32 Cage2.33 Cage2.34 Cage2.35 Cage2.36 Cage2.37 Cage2.38 Cage2.39 Cage2.40 Cage2.41 Cage2.42 Cage2.43 Cage2.44 Cage2.45 Cage2.46 CON1A.1 CON1A.10 CON1A.11 CON1A.14 CON1A.17 CON1A.20 CON1B.1 CON1B.10 CON1B.11 CON1B.14 CON1B.17 CON1B.20 CON1C.1 CON1C.10 CON1C.11 CON1C.14 CON1C.17 CON1C.20 CON1D.1 CON1D.10 CON1D.11 CON1D.14 CON1D.17 CON1D.20 IC1.26 IC1.31 IC1.35 IC1.42 IC1.45 IC1.53 IC1.54 IC2A.1 IC2A.3 IC2A.8 IC2B.1 IC2B.3 IC2B.8 IC2C.1 IC2C.3 IC2C.8 IC3A.1 IC3A.3 IC3A.8 IC3B.1 IC3B.3 IC3B.8 IC3C.1 IC3C.3 IC3C.8 IC3D.1 IC3D.3 IC3D.8 IC4.4 IC4.7 IC6.4 IC8.4 IC10.2 IC10.3 IC10.4 IC14.1 IC14.2 IC14.3 IC14.8 IC39.9 IC39.25 J1.1 J2.BG1 J2.BG2 J2.BG3 J2.BG4 J2.BG5 J2.BG6 J2.BG7 J2.BG8 J2.BG9 J2.BG10 J2.C1 J2.DG1 J2.DG2 J2.DG3 J2.DG4 J2.DG5 J2.DG6 J2.DG7 J2.DG8 J2.DG9 J2.DG10 J2.FG1 J2.FG2 J2.FG3 J2.FG4 J2.FG5 J2.FG6 J2.FG7 J2.FG8 J2.FG9 J2.FG10 J4.BG1 J4.BG2 J4.BG3 J4.BG4 J4.BG5 J4.BG6 J4.BG7 J4.BG8 J4.BG9 J4.BG10 J4.DG1 J4.DG2 J4.DG3 J4.DG4 J4.DG5 J4.DG6 J4.DG7 J4.DG8 J4.DG9 J4.DG10 J4.FG1 J4.FG2 J4.FG3 J4.FG4 J4.FG5 J4.FG6 J4.FG7 J4.FG8 J4.FG9 J4.FG10 J5A.1 J5A.4 J5A.7 J5A.13 J5A.16 J5A.19 J5A.20 J5A.23 J5A.26 J5A.32 J5A.35 J5A.38 J5B.1 J5B.4 J5B.7 J5B.13 J5B.16 J5B.19 J5B.20 J5B.23 J5B.26 J5B.32 J5B.35 J5B.38 J5C.1 J5C.4 J5C.7 J5C.13 J5C.16 J5C.19 J5C.20 J5C.23 J5C.26 J5C.32 J5C.35 J5C.38 J8.AB1 J8.AB2 J8.AB3 J8.AB4 J8.AB5 J8.AB6 J8.AB7 J8.AB8 J8.AB9 J8.AB10 J8.CD1 J8.CD2 J8.CD3 J8.CD4 J8.CD5 J8.CD6 J8.CD7 J8.CD8 J8.CD9 J8.CD10 J8.EF1 J8.EF2 J8.EF3 J8.EF4 J8.EF5 J8.EF6 J8.EF7 J8.EF8 J8.EF9 J8.EF10 pad.0 pad.ESD_STRIP_SEGMENT_3 PB1.3 PB1.4 R2.1 R3.1 R22.2 R25.1 R26.1 R30.1 R33.1 R41A.1 R41B.1 R41C.1 R41D.1 R47.1 R48.1 R75.1 R326.1 R327.1 T1.2 T2.2 TR1.2 TR1.6 | length 12230.1
  L1 w10: C26.2@1437.29,-1136.68 1437.29,-1167.71 v2(1435,-1170) 1461.61,-1170 R33.1@1469.57,-1177.96 ; IC8.4@1666.32,-1035.39 1666.32,-1016.39 1675.79,-1006.93 R30.1@1675.79,-972.68 1708.06,-972.68 v2(1708.66,-973.28) ; R22.2@2066.93,-1277.56 R22.2@2064.96,-1279.53 2064.96,-1403.54 2075.79,-1414.37 pad.ESD_STRIP_SEGMENT_3@4191.73,-1414.37 ; C44B.2@4912.36,21.65 4939.69,21.65 v2(4941.66,23.62) ; C44A.2@4914,766.78 4918.87,771.65 v2(4941.66,771.65) ; C44C.2@4916,-728.22 4937.85,-728.22 v2(4941.66,-724.41) ; v2(4941.66,-913.39) 4943.71,-911.34 C42C.2@4943.71,-884.78 ; v2(4941.66,-165.35) 4943,-164.01 C42B.2@4943,-136.78 ; v2(4941.66,582.68) 4943,584.02 C42A.2@4943,611.22 ; C34C.2@5126.09,-778.22 5144.97,-759.34 v2(5144.97,-740.16) ; C34B.2@5136.97,-18.22 5150.41,-4.78 5144.97,0.66 v2(5144.97,7.87) ; C34A.2@5138.41,721.78 5144.97,728.34 v2(5144.97,755.91) ; v2(5159.95,449) v2@5167,449 ; v1(5390.28,3215.55) 5400.99,3215.55 5418.7,3233.27 C24D.2@5442.91,3233.27 5495.16,3233.27 v1(5503.04,3225.39) ; v1(5390.91,2103.58) 5398.56,2111.22 C24B.2@5442.91,2111.22 ; v1(5399,2672) 5399.24,2672.24 C24C.2@5442.91,2672.24 ; C24A.2@5442.91,3794.29 v1(5506.59,3794.29) ; C33C.2@5456,-753.63 5502.37,-753.63 v2(5503,-753) ; C33B.2@5456,-5.6 5490.3,-5.6 v2(5500.37,-5.6) ; C33A.2@5456,742.43 5490.3,742.43 v2(5500.37,742.43) ; C41C.2@5463,-1004.5 5509.57,-1004.5 v2(5510,-1004.06) ; C41B.2@5463,-256.46 5509.57,-256.46 v2(5510,-256.03) ; C41A.2@5463,491.57 5509.57,491.57 v2(5510,492) ; C13B.2@5480.32,2009.84 5480.32,2011.3 5498.43,1993.19 v1(5498.43,1980.17) ; C13C.2@5480.32,2570.86 5498.43,2552.75 v1(5498.43,2541.19) ; C13D.2@5480.32,3131.89 5498.43,3113.78 v1(5498.43,3102.21) ; C13A.2@5480.32,3692.91 5498.43,3674.8 v1(5498.43,3663.24) ; C43C.2@5494,-583.63 v2(5494,-545.06) ; C43B.2@5494,164.4 v2(5494,202.97) ; C43A.2@5494,912.43 v2(5494,951) ; C23B.2@5551.18,2133.86 v1(5593.58,2133.86) ; C23C.2@5551.18,2694.88 v1(5593.58,2694.88) ; C23D.2@5551.18,3255.9 v1(5593.58,3255.9) ; C23A.2@5551.18,3816.93 v1(5593.58,3816.93) ; C40C.2@5628,-658.06 5630,-656.06 v2(5630,-636.06) ; C40B.2@5628,89.97 5630,91.97 v2(5630,111.97) ; C40A.2@5628,838 5630,840 v2(5630,860) ; v2(5629,-1029.06) 5630,-1030.06 C38C.2@5630,-1000.84 ; v2(5629,-281.03) 5630,-282.03 C38B.2@5630,-252.81 ; v2(5629,467) 5630,466 C38A.2@5630,495.22 ; C35C.2@5705.66,-729.63 5705.66,-690.41 v2(5706,-690.06) ; C35B.2@5705.66,18.4 5705.66,57.63 v2(5706,57.97) ; C35A.2@5705.66,766.43 5705.66,805.66 v2(5706,806) ; R327.1@5708.66,1618.78 5775.98,1618.78 5797.17,1618.78 5801.18,1614.76 C402.1@5801.18,1588.58 ; C36C.1@5777.69,-736.57 5804.11,-736.57 v2(5814.18,-736.57) ; C36B.1@5777.69,11.46 5804.11,11.46 v2(5814.18,11.47) ; C36A.1@5777.69,759.5 5804.11,759.5 v2(5814.18,759.5) ; IC39.9@5785.83,1330.9 5785.83,1401.77 IC39.25@5795.67,1411.61 ; v2(5865.27,2800) 5866,2800.73 R26.1@5866,2765.72 ; v1(5928.25,2574.16) 5950.28,2574.16 5951.35,2575.23 5952.74,2576.63 5964,2565.37 C12C.2@5962.61,2563.98 ; C12B.2@5962.61,2002.95 v1(5962.61,2045.35) ; C12D.2@5962.61,3125 v1(5962.61,3167.4) ; C12A.2@5962.61,3686.02 v1(5962.61,3728.43) ; C21.2@5999.72,2961 5999.72,2986.4 v2(6002.71,2989.39) ; C37C.1@6078.5,-998.06 6078.5,-971.64 v2(6078.5,-961.57) ; C37B.1@6078.5,-250.03 6078.5,-223.6 v2(6078.5,-213.53) ; C37A.1@6078.5,498 6078.5,524.43 v2(6078.5,534.5) ; v2(6089.24,2907.39) IC6.4@6133.61,2907.39 ; R25.1@6091.72,2964 6091.72,2979.96 6102.36,2990.61 v2(6102.36,2995.98) ; v2(6098.41,-574.81) 6102.8,-574.81 6098.43,-579.18 C39C.2@6098.43,-596.46 ; v2(6098.41,173.23) 6102.8,173.23 6098.43,168.85 C39B.2@6098.43,151.57 ; v2(6098.41,921.26) 6102.8,921.26 6098.43,916.88 C39A.2@6098.43,899.61 ; IC2C.1@6103.35,-915.35 v2(6103.35,-869.02) ; IC2B.1@6103.35,-167.32 v2(6103.35,-120.98) ; IC2A.1@6103.35,580.71 v2(6103.35,627.05) ; C14B.2@6104.33,2005.9 6104.33,1963.66 v1(6106.3,1961.69) C15B.1@6106.3,1927.16 ; C14C.2@6104.33,2566.93 6104.33,2524.68 v1(6106.3,2522.72) C15C.1@6106.3,2488.19 ; C14D.2@6104.33,3127.95 6104.33,3122.05 6135.83,3090.55 v2(6141.21,3090.55) ; C14A.2@6104.33,3688.98 6144.31,3649 v2(6150,3649) ; C15D.1@6106.3,3049.21 v1(6106.3,3083.74) ; C15A.1@6106.3,3610.24 v1(6106.3,3644.76) ; IC2C.3@6154.53,-915.35 v2(6154.53,-869.02) ; IC2B.3@6154.53,-167.32 v2(6154.53,-120.98) ; IC2A.3@6154.53,580.71 v2(6154.53,627.05) ; v1(6161,2727) 6163.77,2727 6161.42,2724.65 C22C.2@6161.42,2704.72 ; C22B.2@6161.42,2143.7 6161.42,2163.63 6187.7,2189.91 v1(6187.7,2196.34) ; C22D.2@6161.42,3265.75 6161.75,3265.75 v1(6181,3285) ; C22A.2@6161.42,3826.77 6161.42,3846.7 v1(6166.57,3851.85) ; IC2C.8@6282.48,-937.99 IC2C.8@6282.48,-915.35 6305.12,-915.35 v2(6307.09,-913.39) ; IC2B.8@6282.48,-189.96 IC2B.8@6282.48,-167.32 6305.12,-167.32 v2(6307.09,-165.35) ; IC2A.8@6282.48,558.07 IC2A.8@6282.48,580.71 6305.12,580.71 v2(6307.09,582.68) ; v2(6357.83,2183.07) 6380.31,2183.07 6400,2163.38 IC3B.8@6424.21,2163.38 ; v2(6357.83,2744.09) 6380.31,2744.09 6400,2724.41 IC3C.8@6424.21,2724.41 ; v2(6357.83,3305.12) 6380.31,3305.12 6400,3285.43 IC3D.8@6424.21,3285.43 ; v2(6357.83,3866.14) 6380.31,3866.14 6400,3846.46 IC3A.8@6424.21,3846.46 ; v2(6405,-134) 6406.02,-135.02 C29.2@6406.02,-166.72 6410.94,-161.8 IC4.7@6464.3,-161.8 ; v2(6472,-247) 6474,-249 R48.1@6500.28,-249 ; v2(6484.39,2292.01) 6486.17,2290.23 R41B.1@6486.17,2264.45 ; v2(6484.39,2853.03) 6486.17,2851.25 R41C.1@6486.17,2825.47 ; v2(6484.39,3975.08) 6486.17,3973.3 R41A.1@6486.17,3947.52 ; R41D.1@6486.17,3386.5 6486.17,3413.87 v2(6492.31,3420) ; v1(6552.17,2119.01) IC3B.3@6552.17,2163.38 ; v1(6552.17,2680.04) IC3C.3@6552.17,2724.41 ; v1(6552.17,3241.06) IC3D.3@6552.17,3285.43 ; v1(6552.17,3802.09) IC3A.3@6552.17,3846.46 ; v1(6603.35,2119.01) IC3B.1@6603.35,2163.38 ; v1(6603.35,2680.04) IC3C.1@6603.35,2724.41 ; v1(6603.35,3241.06) IC3D.1@6603.35,3285.43 ; v1(6603.35,3802.09) IC3A.1@6603.35,3846.46 ; C20B.2@6614.17,2224.41 6614.17,2204.48 6640.46,2178.2 v1(6640.46,2171.77) ; C20C.2@6614.17,2785.43 6614.17,2765.5 6640.46,2739.22 v1(6640.46,2732.79) ; C20D.2@6614.17,3346.46 v1(6643.96,3346.46) ; C20A.2@6614.17,3907.48 6614.17,3887.55 6640.46,3861.27 v1(6640.46,3854.84) ; IC4.4@6637.53,-110.61 6637.53,-51.97 R47.1@6640.5,-49 v2(6690,-49)